# Altium PCB PCB1.PcbDoc
Units mil, origin at the board's own origin, x right, y up, seen from the top; angles counter-clockwise.
Board outline 4325 x 2955 mil, 2 copper layers (Top Layer, Bottom Layer); 25 components, 27 nets, 104 pads, 8 vias.
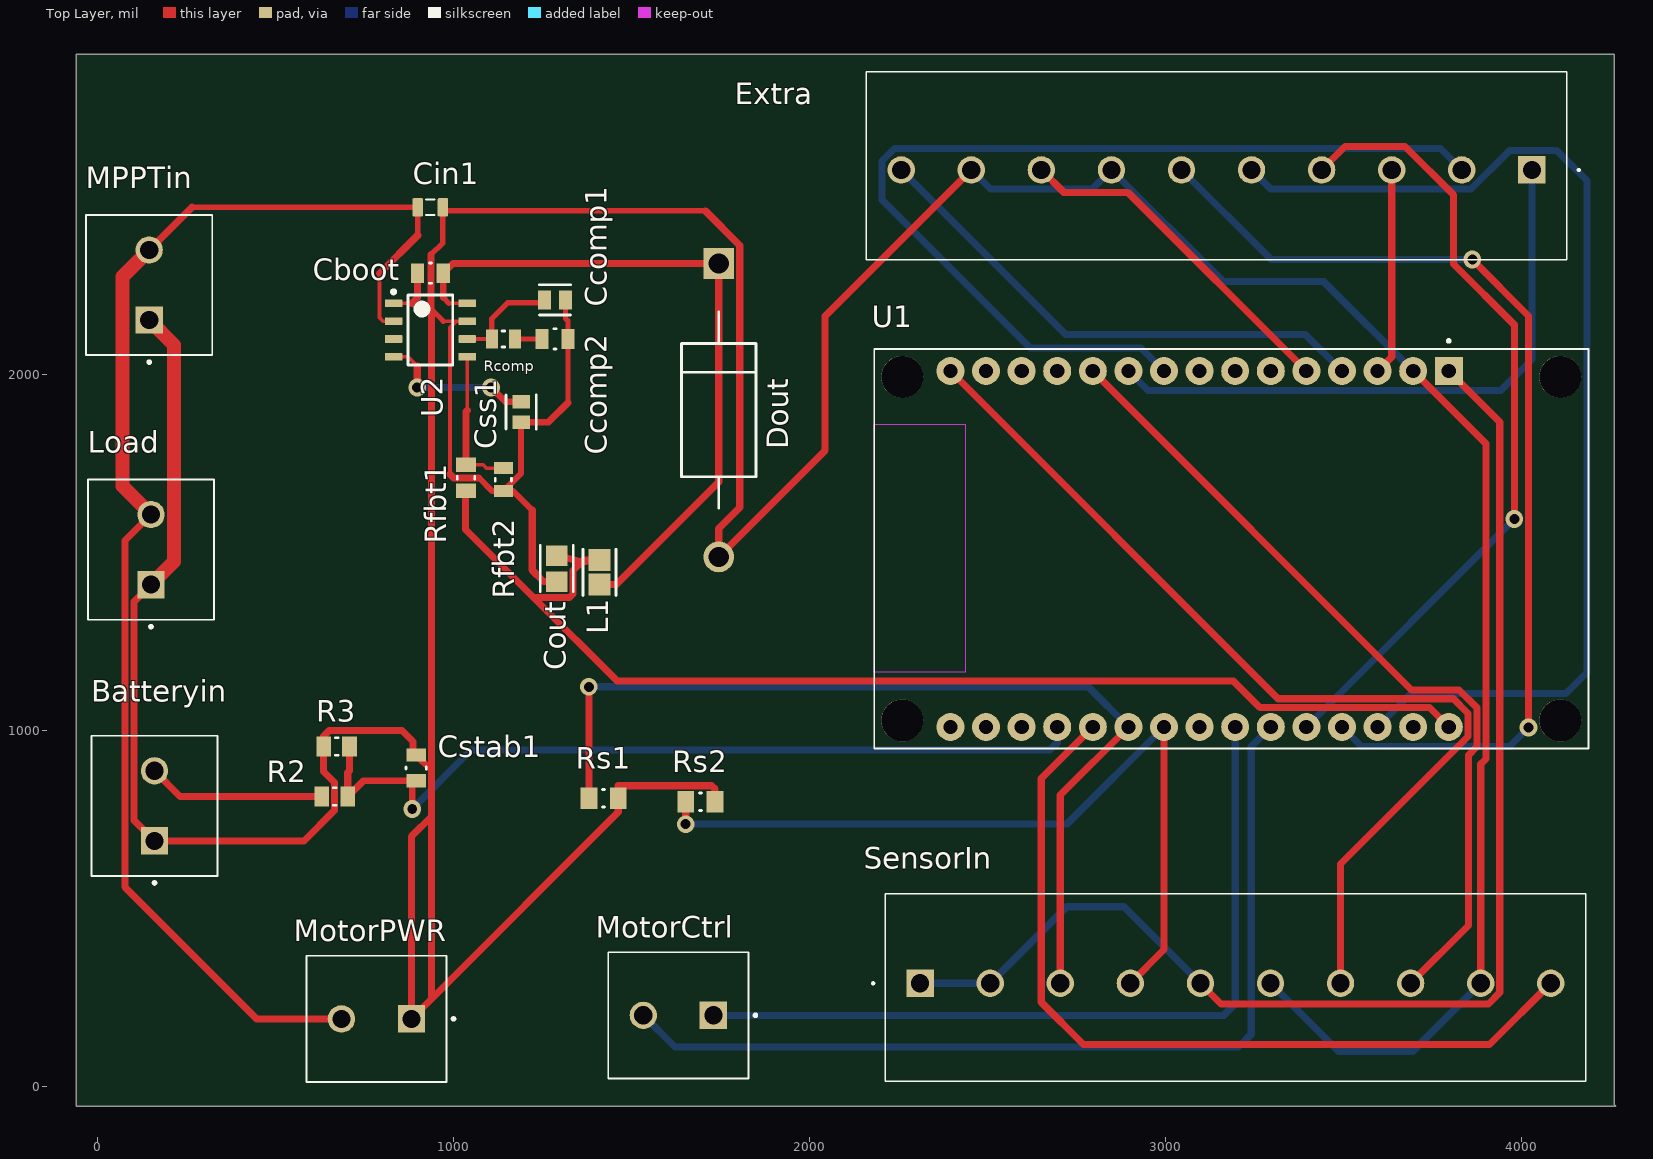
[diagram p0: Top Layer view]
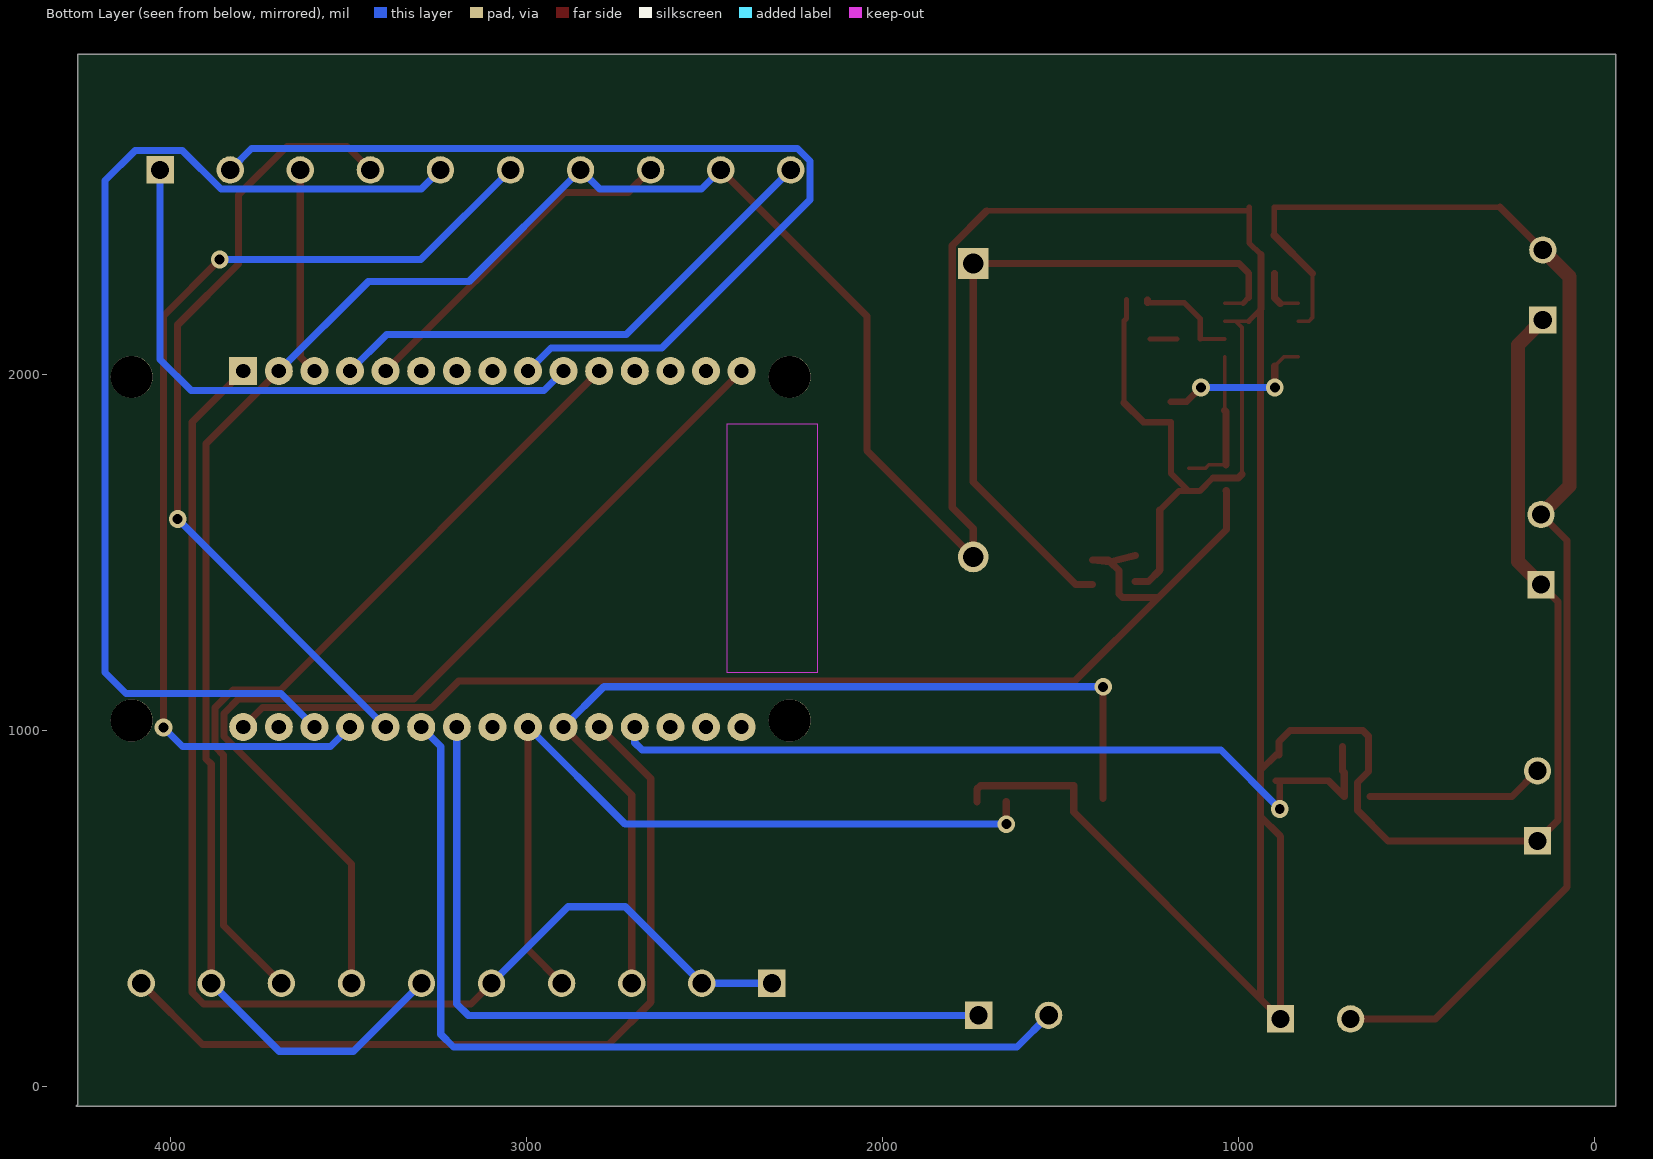
[diagram p1: Bottom Layer view, seen from below]
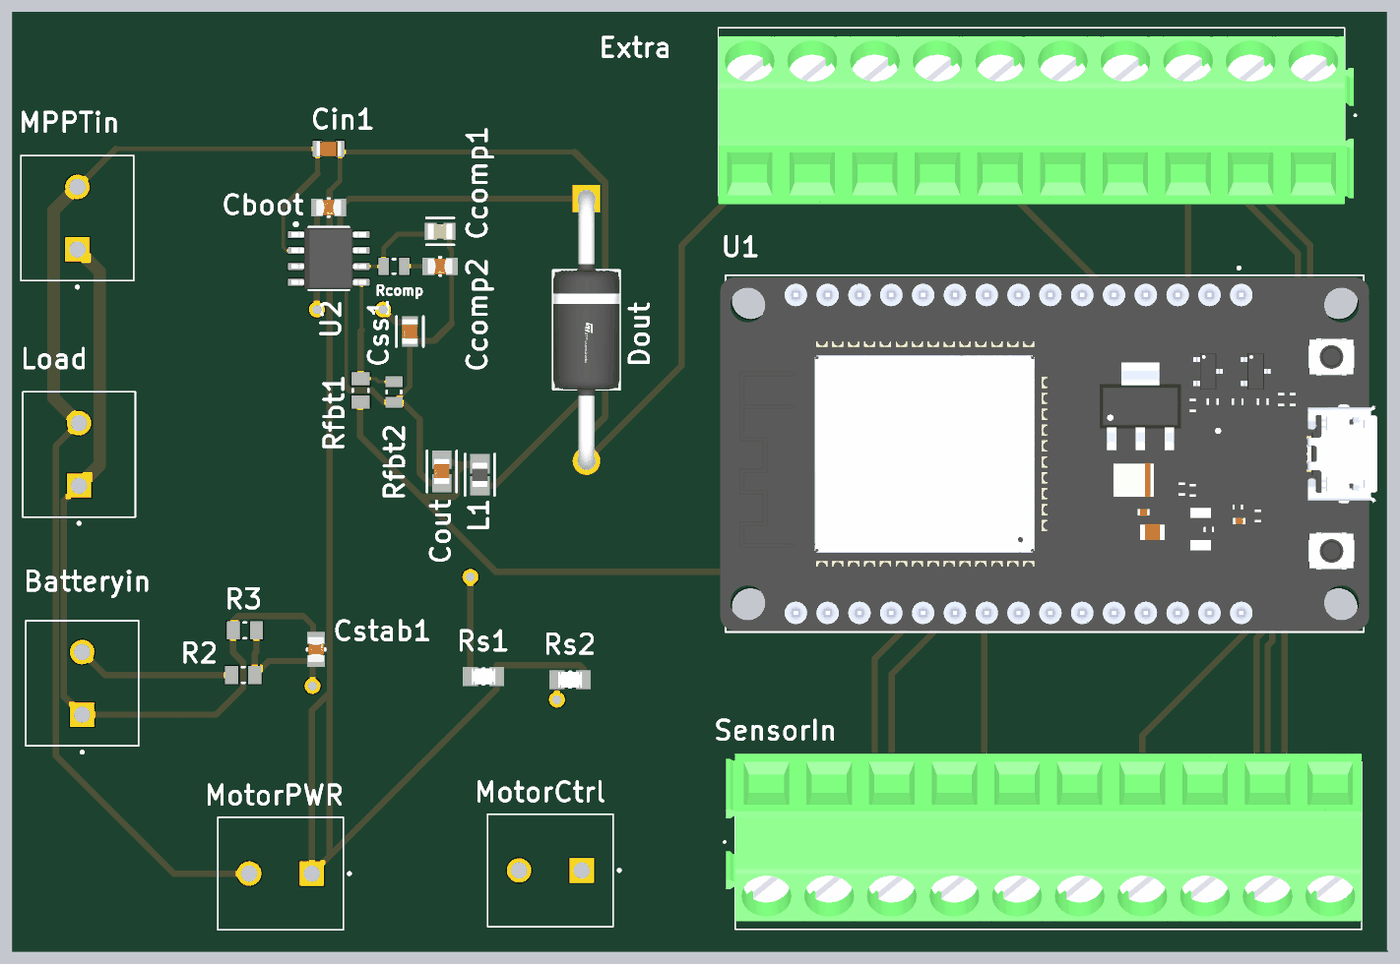
[diagram p2: 3D render of the assembled board from above, using the file's embedded part models]

## Layer stack, top to bottom
Top Solder: solder mask 0.4, Solder Resist, Dk 3.5
Top Layer: signal copper 1.4
Dielectric 1: dielectric 12.6, FR-4, Dk 4.8
Bottom Layer: signal copper 1.4
Bottom Solder: solder mask 0.4, Solder Resist, Dk 3.5

## Board outline
-60,-55 -60,2900 4260,2900 4260,-50 4265,-55

## Design rules (kind name [scope] priority, off if disabled: settings)
Clearance [All] p1: gap=5 ignorepadtopadclearanceinfootprint=FALSE
HoleSize [All] p1: absolutevalues=TRUE maxlimit=120 minlimit=1 maxpercent=80.000 minpercent=20.000
HoleToHoleClearance [All] p1: gap=5 allowstackedmicrovias=TRUE
MinimumSolderMaskSliver [All] p1: minsoldermaskwidth=5
PolygonConnect [All] p1: connectstyle=Relief reliefconductorwidth=10 reliefentries=4 polygonreliefangle="90 Angle" airgapwidth=10
RoutingVias [All] p1: holewidth=28 width=50 viastyle="Through Hole" minholewidth=28 minwidth=50 maxholewidth=28 maxwidth=50
SMDNeckDown [All] p1: percent=50.000
SilkToSilkClearance [All] p1: silktosilkclearance=5
SilkToSolderMaskClearance [IsPad] p1: minsilkscreentomaskgap=5 clearancetoexposedcopper=TRUE
SolderMaskExpansion [All] p1: expansion=4 istentingtop=FALSE
SupplyNets "Schematic Supply Nets_1" [InNet('GND')] p1: voltage=0.000
SupplyNets "Schematic Supply Nets" [InNet('Vbus+')] p2: voltage=0.000
Width [All] p1: maxlimit=40 minlimit=10 preferedwidth=20 minimp=50.000000 maximp=50.000000 favimp=50.000000
25 further rules are at their usual default settings.

## Components (designator, comment, footprint, x,y, rotation, side; value= is the part's Value field where it differs from the comment)
Batteryin "1935776" PHOENIX_1935776 337.17,591.57 r90 top
Cboot "100nF" FP-CC0805-0_85-MFG 935,2285 r0 top value="100 nF"
Ccomp1 "10pF" FP-C0805C-DN-MFG 1285,2210 r0 top value="10 pF"
Ccomp2 "1nF" FP-CC0805-0_85-MFG 1285,2100 r0 top value="100 nF"
Cin1 "Capacitor 22µF +/-40% 16V 0805" CAPC0805(2012)145_L 935,2470 r0 top value=22µF
Cout "47uF" FP-GRM21B-0_2-e0_2_0_7-IPC_A 1290,1455 r270 top
Css1 "8.2nF" FP-GRM219-0_1-IPC_C 1190,1895 r270 top
Cstab1 "100nF" FP-CC0805-0_85-MFG 895,895 r90 top value="100 nF"
Dout "1N5822" FP-DO-201AD-MFG 1745,1900 r270 top
Extra "1733499" 1733499 4029.25,2575 r180 top
L1 "6.8uH" FP-MLZ2012-0_85-IPC_A 1410,1444.48 r90 top
Load "1935776" PHOENIX_1935776 327.17,1311.57 r90 top
MotorCtrl "1935776" PHOENIX_1935776 1828.43,377.17 r180 top
MotorPWR "1935776" PHOENIX_1935776 980.28,367.17 r180 top
MPPTin "1935776" PHOENIX_1935776 322.17,2054.72 r90 top
R2 "200k" RESC2013X50X30NL20T20 666.42,815 r0 top
R3 "51k" RESC2013X50X30NL20T20 671.42,955 r0 top
Rcomp "66.5k" RESC2013X50X30LL20T20 1140,2100 r180 top
Rfbt1 "10.2k" RESC2013X50X30NL20T20 1035,1710 r270 top
Rfbt2 "1.96k" RESC2013X50X30LL20T20 1140,1705 r90 top
Rs1 "10k" FP-CRCW0805-e3-IPC_A 1421.37,810 r0 top
Rs2 "10k" FP-CRCW0805-e3-IPC_A 1693.63,800 r0 top
SensorIn "1733499" 1733499 2310.75,290 r0 top (schematic designator J1)
U1 "ESP32-DEVKIT-V1" MODULE_ESP32_DEVKIT_V1 3185,1510 r270 top
U2 "TPS54331D" D0008A_L 935,2125 r0 top

## Footprints (in the part's own frame and the unit in brackets; to place one, negate y for a bottom-side part, rotate by r counter-clockwise, add the part's x,y. Pads: shape width x height; smd on the part's side, far side on the other; paste and mask are expansions set on the pad)
1733499 [mm]
  rect 1.95x1.95 hole 1.3: 1(0,0)
  round 1.95 hole 1.3: 2(5,0) 3(10,0) 4(15,0) 5(20,0) 6(25,0) 7(30,0) 8(35,0) 9(40,0) 10(45,0)
  silkscreen extent -3.4,-7 47.5,6.4, body extent -3.24,-6.33 47.5,7.07, height 15.3
CAPC0805(2012)145_L [mm] "Chip Capacitor, Body 2.0x1.2mm, Height 1.45mm, IPC High Density"
  rrect25% 0.76x1.3 smd: 1(-0.9,0) 2(0.89,0)
  silkscreen extent -0.3,-0.55 0.3,0.55, body extent -1,-0.6 1,0.6, height 1.45
D0008A_L [mm] "SOIC, 8-Leads, Body 5x4mm, Pitch 1.27mm, IPC High Density"
  rrect18% 1.25x0.55 smd: 1(-2.625,1.905) 2(-2.625,0.635) 3(-2.625,-0.635) 4(-2.625,-1.905) 5(2.625,-1.905) 6(2.625,-0.635) 7(2.625,0.635) 8(2.625,1.905)
  silkscreen extent -2.75,-2.5 1.6,2.85, body extent -3,-2.45 3,2.45, height 1.63
FP-C0805C-DN-MFG [mm]
  rect 0.95x1.35 smd paste+0 mask+0: 1(-0.75,0) 2(0.75,0)
  silkscreen extent -1.1,-1.07 1.1,1.07, body extent -1.4,-0.85 1.4,0.85, height 0.25
FP-CC0805-0_85-MFG [mm]
  rect 0.95x1.4 smd paste+0 mask+0: 1(-0.925,0) 2(0.925,0)
  silkscreen extent -0.07,-0.73 0.07,0.73, body extent -1.6,-1.05 1.6,1.05, height 0.25
FP-CRCW0805-e3-IPC_A [mil]
  rect 47.5x59.38 smd paste+0 mask+0: 1(-41.37,0) 2(41.37,0)
  silkscreen extent -3,-25 3,25, body extent -85,-49 85,49, height 10
FP-DO-201AD-MFG [mm]
  rect 2.2x2.2 hole 1.45 paste-2539.97 mask+0: 1(-10.47,0)
  round 2.2 hole 1.45 paste-2539.97 mask+0: 2(10.47,0)
  silkscreen extent -7,-2.65 7,2.65, body extent -11.67,-2.75 11.67,2.75, height 0.25
FP-GRM21B-0_2-e0_2_0_7-IPC_A [mil]
  rect 57.27x61.27 smd paste+0 mask+0: 1(-36.45,0) 2(36.45,0)
  silkscreen extent -65,-46 65,46, body extent -85,-50 85,50, height 10
FP-GRM219-0_1-IPC_C [mil]
  rect 37.71x49.69 smd paste+0 mask+0: 1(-28.63,0) 2(28.63,0)
  silkscreen extent -47,-42 47,42, body extent -51,-31 51,31, height 10
FP-MLZ2012-0_85-IPC_A [mil]
  rect 61.2x61.27 smd paste+0 mask+0: 1(-34.48,0) 2(34.48,0)
  silkscreen extent -65,-46 65,46, body extent -85,-50 85,50, height 10
MODULE_ESP32_DEVKIT_V1 [mm]
  rect 2x2 / inner round 2 / far side rect 2x2 hole 1.02: 1(-12.7,15.515)
  round 2 hole 1.02: 2(-12.7,12.975) 3(-12.7,10.435) 4(-12.7,7.895) 5(-12.7,5.355) 6(-12.7,2.815) 7(-12.7,0.275) 8(-12.7,-2.265) 9(-12.7,-4.805) 10(-12.7,-7.345) 11(-12.7,-9.885) 12(-12.7,-12.425) 13(-12.7,-14.965) 14(-12.7,-17.505) 15(-12.7,-20.045) 16(12.7,-20.045) 17(12.7,-17.505) 18(12.7,-14.965) 19(12.7,-12.425) 20(12.7,-9.885) 21(12.7,-7.345) 22(12.7,-4.805) 23(12.7,-2.265) 24(12.7,0.275) 25(12.7,2.815) 26(12.7,5.355) 27(12.7,7.895) 28(12.7,10.435) 29(12.7,12.975) 30(12.7,15.515)
  round 3 hole 3 unplated: ""(-12.28,23.475) ""(-12.28,-23.475) ""(12.23,23.475) ""(12.23,-23.475)
  Keep-Out Layer region: 8.78,-25.475 -8.91,-25.475 -8.91,-18.985 8.78,-18.985
  Keep-Out Layer region: 8.78,-25.475 -8.91,-25.475 -8.91,-18.985 8.78,-18.985
  silkscreen extent -14.95,-25.47 14.23,25.47, body extent -14.1,-25.9 14.1,26.55, height 7.05
PHOENIX_1935776 [mm]
  rect 1.95x1.95 / inner round 1.95 / far side rect 1.95x1.95 hole 1.3: 1(2.5,4.5)
  round 1.95 hole 1.3: 2(7.5,4.5)
  silkscreen extent -0.6,0 10,9
RESC2013X50X30LL20T20 [mm] "Chip Resistor, 2-Leads, Body 2.00x1.25mm, IPC High Density"
  rect 0.85x1.35 smd: 1(-0.825,0) 2(0.825,0)
  silkscreen extent -0.1,-0.58 0.1,0.57, body extent -1.1,-0.72 1.1,0.72, height 0.5
RESC2013X50X30NL20T20 [mm] "Chip Resistor, 2-Leads, Body 2.00x1.25mm, IPC Medium Density"
  rect 1.05x1.45 smd: 1(-0.925,0) 2(0.925,0)
  silkscreen extent -0.1,-0.62 0.1,0.62, body extent -1.1,-0.72 1.1,0.72, height 0.5

## Part data
Batteryin Load MotorCtrl MotorPWR MPPTin: Package=None, Availability=Unavailable, MF="{'manufacturer': u'Phoenix Contact'}", MP=1935776, Price=None
Cboot Ccomp2 Cstab1: library part CMP-2100-03606-3, "CAP CER 0.1UF 50V X7R 0805", Capacitance="100 nF", Manufacturer=Yageo, Manufacturer Part Number=CC0805KRX7R9BB104, Package=CC0805-0.85, Temperature="-30°C to +85°C", Temperature Characteristic=X7R, Temperature Range High=+85°C, Temperature Range Low=-30°C, Tolerance=0.1, Voltage Rating="50 V", Automotive=No, Category=Cap, ComponentLink2Description=Datasheet, ComponentLink2URL=http://www.yageo.com/documents/recent/UPY-GPHC_Y5V_6.3V-to-50V_8.pdf, Device Class L1="Passive Components", Device Class L2=Capacitors, Device Class L3="Ceramic Capacitors", Digikey Description="CAP CER 0.1UF 50V X7R 0805", Footprint Url=http://www.yageo.com/exep/pages/download/literatures/UPY-C_GEN_24.pdf, Height=0.95mm, Ipc Land Pattern Name=CAPC200125X85, Lead Free=Yes, Material=Ceramic, Mouser Description="Multilayer Ceramic Capacitors MLCC - SMD/SMT 100nF 50V X7R 10%", Octopart=https://octopart.com/cc0805krx7r9bb104-yageo-192993, RoHS=TRUE
Ccomp1: library part CMP-2007-00219-2, "Capacitor; Ceramic; Cap 10 pF; Tol 5%; Vol-Rtg 50 VDC; SMT; 0805; COG (NPO); Tape&Reel", Capacitance="10 pF", Manufacturer=KEMET, Manufacturer Part Number=C0805C100J5GACTU, Package=C0805C-DN, Temperature="-55°C to +125°C", Temperature Characteristic=C0G, Temperature Coefficient=30ppm/°C, Temperature Range High=+125°C, Temperature Range Low=-55°C, Tolerance=0.05, Voltage Rating="50 V", Automotive=No, Category=Cap, ComponentLink2Description=Datasheet, ComponentLink2URL=https://content.kemet.com/datasheets/KEM_C1003_C0G_SMD.pdf, Device Class L1="Passive Components", Device Class L2=Capacitors, Device Class L3="Ceramic Capacitors", Digikey Description="Capacitor; Ceramic; Cap 10 pF; Tol 5%; Vol-Rtg 50 VDC; SMT; 0805; COG (NPO); Tape&Reel", Height=0.88mm, Ipc Land Pattern Name=CAPC200125X78, Lead Free=Yes, Material=Ceramic, Mouser Description="KEMET - C0805C100J5GACTU - CAP, MLCC, C0G/NP0, 10PF, 50V, 0805", Octopart=https://octopart.com/c0805c100j5gactu-kemet-104357, RoHS=TRUE
Cin1: library part CMP-001-00081-4, "Chip Capacitor, 22µF +/-40%, 16V, 0805, Thickness 1.45 mm", Case/Package=0805, Max Operating Temperature=85°C, Min Operating Temperature=-55°C, Tolerance=5%, Voltage Rating=16V, Mounting Technology=SMT, Pins=2
Cout: library part CMP-2000-06341-2, "Chip Multilayer Ceramic Capacitors for General Purpose, 0805, 47uF, X5R, 15%, 20%, 10V", Case Code (Imperial)=0805, Case Code (Metric)=2012, Dielectric=X5R, Dielectric Material=Ceramic, Max Operating Temperature=85°C, Min Operating Temperature=-55°C, Tolerance=20%, Voltage=10V, Capacitance=47uF, Case/Package=0805, Depth=1.25mm, Dissipation Factor=0.035%, Height=1.25mm, Lead Free="Lead Free", Length=2mm, Mount="Surface Mount", Packaging="Tape and Reel", REACH SVHC="No SVHC", Termination=SMD/SMT, Thickness=0.057inch, Voltage Rating=10V, Voltage Rating (DC)=10V, Width=0.049inch
Css1: library part CMP-1036-03771-2, "Chip Multilayer Ceramic Capacitors for General Purpose, 0805, 8200pF, C0G, 30ppm/°C, 5%, 50V", Case Code (Imperial)=0805, Case Code (Metric)=2012, Dielectric=C0G, Max Operating Temperature=125°C, Min Operating Temperature=-55°C, Package Quantity=1, Temperature Coefficient=30ppm/°C, Tolerance=5%, Voltage=50V, Capacitance=8.2nF, Case/Package=0805, Depth=1.25mm, Height=0.85mm, Lead Free="Lead Free", Length=2mm, Mount="Surface Mount", Packaging="Tape and Reel", Radiation Hardening=No, REACH SVHC="No SVHC", Termination=SMD/SMT, Thickness=0.037inch, Voltage Rating=50V, Voltage Rating (DC)=50V, Width=0.049inch
Dout: library part CMP-12187-000025-1, "DIODE SCHOTTKY 40V 3A DO201AD", Forward Current=3A, Manufacturer=STMicroelectronics, Max Junction Temp=+150°C, Max Repetitive Reverse Voltage=40V, Max Surge Forward Current=80A, Package=DO-201AD, Peak Reverse Current=2mA, Temperature="to +150°C", Automotive=No, Category=Diode, ComponentLink2Description=Datasheet, ComponentLink2URL=https://www.st.com/resource/en/datasheet/1n5822.pdf, Device Class L1="Discrete Semiconductors", Device Class L2=Diodes, Device Class L3="Schottky Diodes", Digikey Description="DIODE SCHOTTKY 40V 3A DO201AD", Height=5.3mm, Lead Free=Yes, Manufacturer Part Number=1N5822, Mouser Description="Schottky Diodes & Rectifiers Vr/40V Io/3A BULK", Octopart=https://octopart.com/1n5822-stmicroelectronics-323225, RoHS=TRUE, Temperature Range High=+150°C
Extra SensorIn: "Connector", Manufacturer_Name="Phoenix Contact", Mouser Part Number=651-1733499, Arrow Part Number=1733499, Arrow Price/Stock=https://www.arrow.com/en/products/1733499/phoenix-contact?utm_currency=USD&region=nac, Datasheet Link=http://www.phoenixcontact.com/de/produkte/1733499/pdf, Height=15.45mm, Manufacturer_Part_Number=1733499, Mouser Price/Stock=https://www.mouser.co.uk/ProductDetail/Phoenix-Contact/1733499?qs=UV0HhPl4yOFiQR6YsGGjJA%3D%3D
L1: library part CMP-08253-000092-1, "Shielded Multilayer Inductor 6.8uH ±20% 550mA 325mΩ SMD 0805", Case Code (Imperial)=0805, Case Code (Metric)=2012, Current Rating=550mA, DC Resistance (DCR)=250mR, Max Operating Temperature=125°C, Min Operating Temperature=-55°C, Package Quantity=1, Saturation Current=110mA, Self Resonant Frequency=60MHz, Test Frequency=2MHz, Tolerance=20%, Case/Package=0805, Core Material=Ferrite, Height - Seated (Max)=0.057inch, Inductance=6.8uH, Lead Free="Lead Free", Length=0.079inch, Mount="Surface Mount", Packaging="Tape and Reel", RoHS Compliant=Yes, Shielding=Shielded, Width=0.049inch
R2: library part CMP-2001-03662-1, Manufacturer="Vishay Dale", Part Number=CRCW0805200KJNEA
R3: library part CMP-2001-03993-1, Manufacturer="Vishay Dale", Part Number=CRCW080551K0FKEA
Rcomp: library part CMP-2001-04062-1, Manufacturer="Vishay Dale", Part Number=CRCW080566K5FKEA
Rfbt1: library part CMP-1013-00624-2, Manufacturer="Vishay Dale", Part Number=CRCW080510K2FKEA
Rfbt2: library part CMP-2001-03629-1, Manufacturer="Vishay Dale", Part Number=CRCW08051K96FKEA
Rs1 Rs2: library part CMP-2001-04908-2, "RES Thick Film, 10kΩ, 1%, 0.125W, 100ppm/°C, 0805", Case Code (Imperial)=0805, Case Code (Metric)=2012, Max Operating Temperature=155°C, Min Operating Temperature=-55°C, Package Quantity=5000, Power Rating=125mW, Resistance=10kR, Temperature Coefficient=100ppm/°C, Tolerance=1%, Voltage Rating=150V, Case/Package=0805, Composition="Thick Film", Contact Plating=Tin, Depth=1.25mm, Height=0.45mm, Lead Free="Lead Free", Length=2mm, Military Standard=Not, Packaging="Tape and Reel", Radiation Hardening=No, Termination=SMD/SMT, Voltage Rating (DC)=150V, Weight=0.000194oz, Width=1.25mm
U1: library part CMP-003-000000-1, "Dual core, Wi-Fi: 2.4 GHz up to 150 Mbits/s,BLE (Bluetooth Low Energy) and legacy Bluetooth, 32 bits, Up to 240 MHz", Package=None, Check_prices=https://www.snapeda.com/parts/ESP32-DEVKIT-V1/Do+it/view-part/?ref=eda, Component Type=Standard, Design Item ID=ESP32-DEVKIT-V1, MF="Do it", MP=ESP32-DEVKIT-V1, Pin Count=30, SnapEDA_Link=https://www.snapeda.com/parts/ESP32-DEVKIT-V1/Do+it/view-part/?ref=snap, Source=ESP32-DEVKIT-V1.SchLib
U2: library part CMP-0323-00203-3, "Buck Step Down Regulator with 3.5 to 28 V Input and 0.8 to 25 V Output, -40 to 150 degC, 8-Pin SOIC (D), Green (RoHS & no Sb/Br)", Manufacturer="Texas Instruments", Rating=Catalog, Switch Current Limit(Typ)(A)=3.5, Code_JEDEC=MS-012AA, ComponentLink1Description=Datasheet, ComponentLink1URL=http://www.ti.com/general/docs/lit/getliterature.tsp?genericPartNumber=TPS54331&fileType=pdf, ComponentLink2Description="Package Specification", ComponentLink2URL=http://www.ti.com/litv/pdf/msoi002j, ComponentLink3Description="URL Link1", ComponentLink3URL="Samples URL:http://www.ti.com/product/tps54331#samples", DatasheetVersion=SLVS839D, Duty Cycle(Max)(%)=90, Eco-Plan="Green (RoHS & no Sb/Br)", Iout(Max)(A)=3, Iq(Typ)(mA)=0.11, Mounting Technology="Surface Mount", PackageDescription="8-Pin Plastic Small Outline Integrated Circuit, 4.9 x 3.9 mm, Pitch 1.27 mm Pitch", PackageReference=D0008A, PackageVersion="revM, Jun-2011", PartNumber=TPS54331D, Regulated Outputs(#)=1, SubFamily="Step-Down Regulator", Topology=Buck, Vin(Max)(V)=28, Vin(Min)(V)=3.5, Vout(Max)(V)=25, Vout(Min)(V)=0.8

## Via types
v1: diameter 50, hole 28, Top Layer to Bottom Layer, 8 vias

## Nets (pads, with @x,y where several pads share a name; then routed paths per layer and width w, separated by ;. In a path a pad name is that pad's centre, name@x,y a point inside that pad or via, vN(x,y) a via of type N, cw(c..) or ccw(c..) an arc to the next point about the centre after c; other vN are vias at no path point)
3v3: SensorIn.1 SensorIn.2 SensorIn.5 U1.1 | length 3648.9
  Top Layer w20: SensorIn.5 3156.15,232 3907,232 3939,264 3939,1866.83 U1.1
  Bottom Layer w20: SensorIn.1 SensorIn.2 2722.6,505 2883.15,505 SensorIn.5
GND: Batteryin.1 Ccomp1.2 Ccomp2.2 Cin1.2 Cout.2 Css1.2 Cstab1.2 Dout.2 Extra.7 Extra.9 Load.1 MotorPWR.1 MPPTin.1 R3.1 Rfbt2.1 Rs1.2 Rs2.2 SensorIn.6 SensorIn.9 U1.2 U2.7 | length 15710.6
  Top Layer w10: 1008,2150 U2.7
  Top Layer w10.83: 971,2150 1008,2150 990,2132 990,1720
  Top Layer w14.96: 937,2337 970.04,2370.04 Cin1.2@970.04,2460 ; Cin1.2 Cin1.2@970.04,2460 ; 1707,2460 Cin1.2@970.04,2460
  Top Layer w15: 938,2183 971,2150 ; Ccomp1.2 1314.53,2157.89 1321.42,2151 Ccomp2.2 1321.42,1920.79
  Top Layer w16.73: 1071.52,1710 1109,1672.52 Rfbt2.1 ; Css1.2 1190,1722.52 Rfbt2.1 ; 1221,1619 1167.48,1672.52 Rfbt2.1
  Top Layer w18.7: 855,1000 886,969 886,931.42 Cstab1.2 938,888.42 938,759
  Top Layer w18.85: Css1.2 1267,1866.37
  Top Layer w20: Load.1 102,1362 102,748 Batteryin.1 580,690 666,776 666,854 635,885 R3.1 635,984 651,1000 855,1000 ; 937,2337 937,2184 938,2183 938,888.42 ; 990,1720 1000,1710 1071.52,1710 ; 1221,1619 1221,1450.55 1253,1418.55 Cout.2 ; 1267,1866.37 1321.42,1920.79 ; 1707,2460 1804,2363 1804,1627 1745,1568 Dout.2 2044,1786.79 2044,2164.55 Extra.9 ; Rs2.2 1735,835 1725,845 1462.74,845 Rs1.2 1462.74,770.89 938,246.15 ; U1.2 3900.2,1805.63 3900.2,920.28 3885.55,905.63 SensorIn.9 ; 938,246.15 938,759 881.85,702.85 MotorPWR.1 938,246.15
  Top Layer w40: MPPTin.1 215,2083.15 215,1475 Load.1
  Bottom Layer w20: Extra.9 2508.45,2521 2794.15,2521 Extra.7 3162.15,2261 3444.83,2261 U1.2 ; SensorIn.6 3486,99 3694.55,99 SensorIn.9
IN1: MotorCtrl.1 U1.24 | length 2257.1
  Bottom Layer w20: MotorCtrl.1 3163.83,200 3195.83,232 U1.24
IN2: MotorCtrl.2 U1.25 | length 2645.3
  Bottom Layer w20: MotorCtrl.2 1622.15,111 3205,111 3241,147 3241,955.17 U1.25
LDR1: Rs1.1 SensorIn.3 U1.21 | length 2674.9
  Top Layer w20: Rs1.1 v1(1380,1123) ; SensorIn.3 2704.45,818.62 U1.21
  Bottom Layer w20: v1(1380,1123) 2782.83,1123 U1.21
LDR2: Rs2.1 SensorIn.4 U1.22 | length 2278.8
  Top Layer w20: v1(1652.26,737) Rs2.1 ; SensorIn.4 2995.83,384.53 U1.22
  Bottom Layer w20: v1(1652.26,737) 2722.83,737 U1.22
Lim1: Extra.10 U1.4 | length 1472.3
  Bottom Layer w20: Extra.10 2719.6,2113 3392.83,2113 U1.4
Lim2: Extra.8 U1.5 | length 978.6
  Top Layer w20: Extra.8 2714.3,2512 2893.83,2512 U1.5
NetBatteryin_2: Batteryin.2 R2.1 | length 499.8
  Top Layer w20: Batteryin.2 231.85,815 R2.1
NetCboot_1: Cboot.1 U2.1 | length 142.6
  Top Layer w10: U2.1 882.58,2200
  Top Layer w18.7: 898.58,2216 Cboot.1
  Top Layer w20: 882.58,2200 898.58,2216
NetCboot_2: Cboot.2 Dout.1 L1.1 U2.8 | length 1995.9
  Top Layer w10: 987.42,2200 U2.8
  Top Layer w15: 971.42,2216 987.42,2200
  Top Layer w18.7: 971.42,2216 Cboot.2 998.62,2312.2 Dout.1
  Top Layer w20: L1.1 1457,1410 1745,1698 Dout.1
NetCcomp1_1: Ccomp1.1 Rcomp.2 U2.6 | length 300.8
  Top Layer w10: U2.6 1072,2100 Rcomp.2
  Top Layer w15: Rcomp.2 1107.52,2157 1152.52,2202 Ccomp1.1@1255.47,2202
  Top Layer w18.7: Ccomp1.1@1255.47,2202 Ccomp1.1
NetCcomp2_1: Ccomp2.1 Rcomp.1 | length 76.1
  Top Layer w15: Rcomp.1 1210,2100 Ccomp2.1
NetCout_1: Cout.1 L1.2 Rfbt1.2 U1.30 | length 3490.7
  Top Layer w20: Rfbt1.2 1034,1673.58 1034,1565 1225,1374 ; Cout.1 1360.24,1474.21 ; U1.30 3741.45,1064.37 3265,1064.37 3190.37,1139 1460,1139 1225,1374 ; 1225,1374 1326,1374 1336,1384 1336,1449.97 1360.24,1474.21 ; 1360.24,1474.21 1365,1478.97 L1.2 1360.24,1474.21
NetCss1_1: Css1.1 U2.4 | length 445.8
  Top Layer w10: U2.4 872,2050
  Top Layer w10.83: 872,2050 898,2024
  Top Layer w18.85: v1(1105.63,1964) 1146,1923.63 Css1.1
  Top Layer w20: v1(898,1964) 898,2024
  Bottom Layer w20: v1(898,1964) v1(1105.63,1964)
NetCstab1_1: Cstab1.1 R2.2 R3.2 U1.19 | length 2363.8
  Top Layer w18.7: 746.42,858.58 Cstab1.1@884,858.58 ; v1(884,780) Cstab1.1@884,858.58 ; Cstab1.1 Cstab1.1@884,858.58
  Top Layer w20: R3.2 707.83,887 702.83,882 R2.2 746.42,858.58
  Bottom Layer w20: v1(884,780) 1049,945 2675,945 2695.83,965.83 U1.19
NetExtra_1: Extra.1 U1.10 | length 1725.1
  Bottom Layer w20: U1.10 2950.83,1955 3942,1955 4029.25,2042.25 Extra.1
NetExtra_2: Extra.2 U1.9 | length 2767.8
  Bottom Layer w20: U1.9 2930.83,2075 2620,2075 2204,2491 2204,2600 2239,2635 3772.4,2635 Extra.2
NetExtra_3: Extra.3 U1.3 | length 581.5
  Top Layer w20: U1.3 3635.55,2049.73 Extra.3
NetExtra_4: Extra.4 U1.26 | length 2261.5
  Top Layer w20: Extra.4 3504.4,2640.7 3673.3,2640.7 3809,2505 3809,2311 3980,2140 v1(3980,1594.17)
  Bottom Layer w20: U1.26 v1(3980,1594.17)
NetExtra_5: Extra.5 U1.28 | length 3077.6
  Bottom Layer w20: Extra.5 3295.85,2521 3858,2521 3966,2629 4100,2629 4184,2545 4184,1163 4125,1104 3689.83,1104 U1.28
NetExtra_6: Extra.6 U1.27 | length 2870.2
  Top Layer w20: v1(3862,2323) 4020,2165 v1(4020,1009)
  Bottom Layer w20: Extra.6 3297,2323 v1(3862,2323) ; U1.27 3550.83,955 3966,955 v1(4020,1009)
NetRfbt1_1: Rfbt1.1 Rfbt2.2 U2.5 | length 413.7
  Top Layer w10: Rfbt1.1 1083,1746.42 1091.94,1737.48 Rfbt2.2 ; 1038.35,1899.35 U2.5
  Top Layer w20: Rfbt1.1 1035,1896 1038.35,1899.35
NetSensorIn_10: SensorIn.10 U1.20 | length 2384.9
  Top Layer w20: U1.20 2651,865.17 2651,237 2770,118 3910.4,118 SensorIn.10
SCL: SensorIn.7 U1.15 | length 2759.3
  Top Layer w20: U1.15 3316.45,1089.37 3808.83,1089.37 3850.2,1048 3850.2,983.2 3491.85,624.85 SensorIn.7
SDA: SensorIn.8 U1.11 | length 2322.5
  Top Layer w20: U1.11 3691.45,1114.37 3824.83,1114.37 3875.2,1064 3875.2,954.83 3851,930.63 3851,452.3 SensorIn.8
Vbus+: Cin1.1 Load.2 MotorPWR.2 MPPTin.2 U2.2 | length 3848.3
  Top Layer w10: 802,2150 U2.2
  Top Layer w10.83: 792,2284 792,2160 802,2150
  Top Layer w14.96: 265,2470 Cin1.1 899.57,2391.57
  Top Layer w20: MPPTin.2 265,2470 ; Load.2 77,1533.85 77,560 447,190 MotorPWR.2 ; 792,2284 899.57,2391.57
  Top Layer w40: MPPTin.2 70,2275 70,1686.85 Load.2
pads on no net: U1. U1.6 U1.7 U1.8 U1.12 U1.13 U1.14 U1.16 U1.17 U1.18 U1.23 U1.29 U2.3